# Altium PCB UpDuino Camera Adaptor_V2.0_ASCII.PcbDoc (continued)
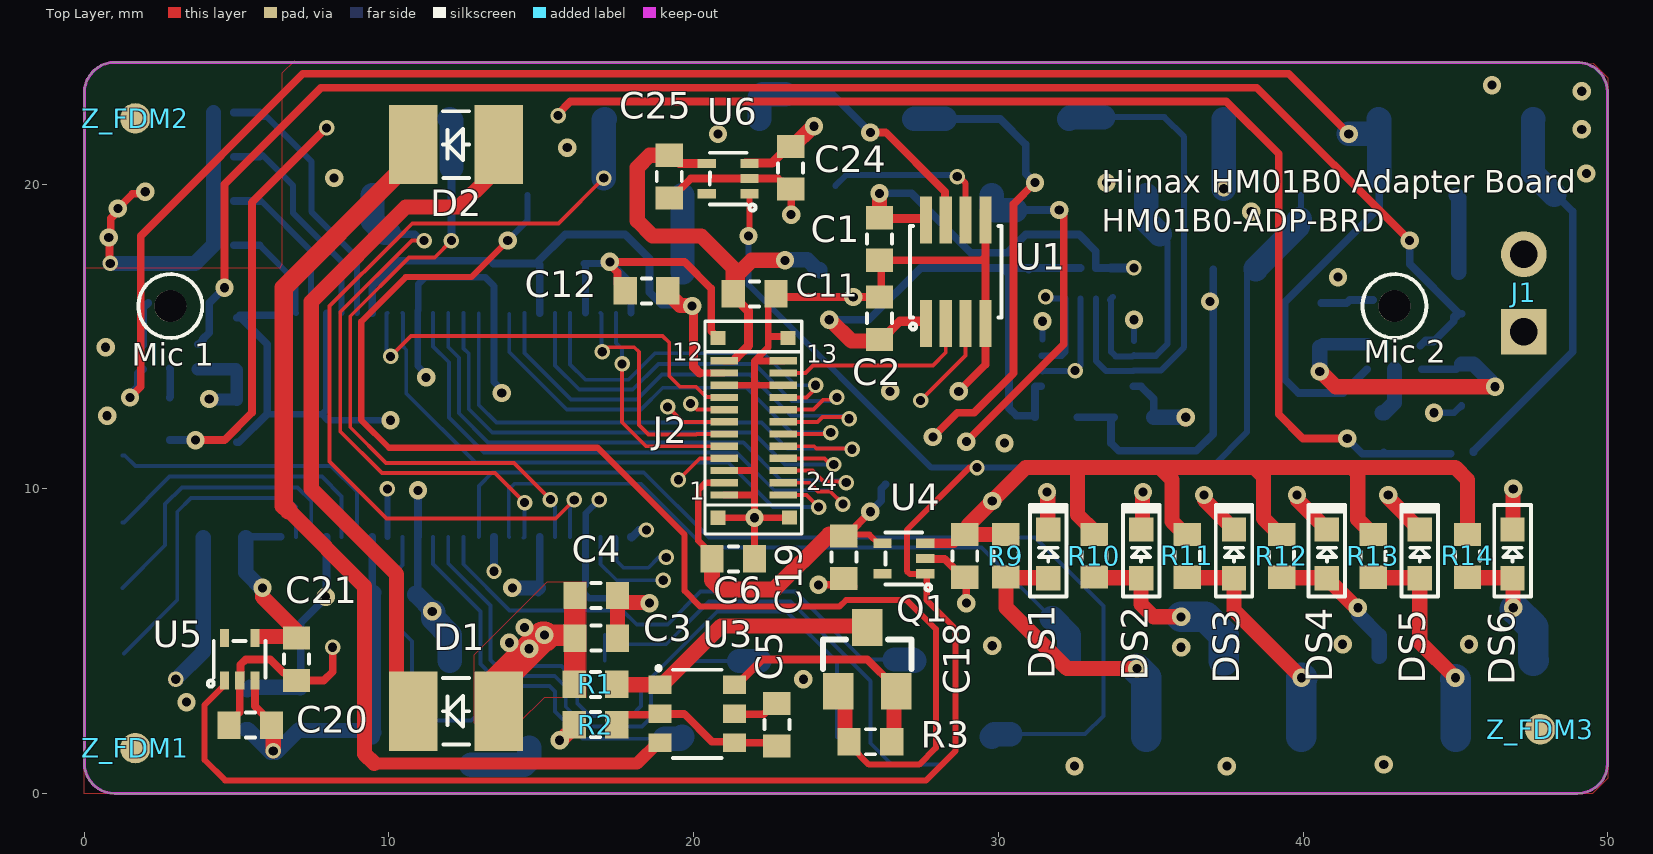
[diagram p0: Top Layer view]
## Nets (pads, with @x,y where several pads share a name; then routed paths per layer and width w, separated by ;. In a path a pad name is that pad's centre, name@x,y a point inside that pad or via, vN(x,y) a via of type N, cw(c..) or ccw(c..) an arc to the next point about the centre after c; other vN are vias at no path point)
ENABLE: R18.2 U4.1 U5.1 U6.1 UPDuino1.20 | length 71
  Top Layer w0.2: U5.1 4.6,3.558 3.95,2.908 3.95,1.1 4.618,0.432 27.632,0.432 28.6,1.4 28.6,5.4 27.65,6.35 27.65,7.116 27.75,7.216 U4.1 27.584,7.2 27.1,7.2 27,7.3 27,8.65 29.05,10.7 v2(29.3,10.7) ; v1(21.8,18.3) 21.829,18.329 U6.1 U6.1@21.979,19.684
  Bottom Layer w0.2: v1(21.8,18.3) 21.8,16.7 27.8,10.7 v2(29.3,10.7) 37,10.7 38.168,11.867 38.168,17.028 R18.2@38.394,17.254 ; UPDuino1.20@39.83,18.69 39.94,18.8 UPDuino1.20
  Bottom Layer w0.8: R18.2 38.449,17.231 39.83,18.613 39.83,18.69 39.83,18.78 UPDuino1.20@39.9,18.85
GND: C1.2 C2.2 C3.2 C4.2 C6.2 C7.2 C8.2 C9.1 C10.2 C11.2 C12.2 C13.2 C14.2 C15.2 C16.2 C17.2 C18.1 C19.1 C20.1 C21.1 C22.2 C23.2 C24.1 C25.1 C26.2 DS1.2 DS2.2 DS3.2 DS4.2 DS5.2 DS6.2 J1.2 J2.1 J2.3 J2.10 J2.13 J2.15 J2.GND1 J2.GND2 J2.GND3 J2.GND4 MK1.3 MK2.2 MK2.3 Q1.2 R2.2 R3.1 R4.2 R5.2 R6.2 R7.2 R18.1 U1.4 U1.5 U2.4 U2.10 U2.15 U2.21 U2.25 U2.28 U2.34 U2.39 U2.45 U2.48 U3.6 U4.2 U5.2 U6.2 U7.4 U7.5 UPDuino1.2 | length 154.3
  Top Layer w0.22: J2.GND4 20.803,9.056 v1@22,9.056 ; J2.1 22,9.8 ; J2.3 22,10.6 ; J2.10 22,13.4 ; C6.2 v1@22,9.056 ; 22.45,15 23.045,15 J2.GND2 ; C11.2@22.7,16.4 22.45,16.15 22.45,14.65 22,14.2 ; J2.15@22.9,13.4 22,13.4 ; J2.13 22,14.2 ; J2.GND1@23.106,9.056 v1@22,9.056 ; v1@22,9.056 22,9.8 ; 22,9.8 22,10.6 ; 22,10.6 22,13.4 ; 22,13.4 22,14.2
  Top Layer w0.254: v2(0.85,17.4) 0.825,17.425 0.825,18.225 v1(0.8,18.25) 0.866,18.316 0.866,18.873 1.1,19.106 v1(1.1,19.2) 1.584,19.684 1.934,19.684 v1(2,19.75) ; C20.1@4.8,2.3 4.8,2.364 5.1,2.664 U5.2 5.123,3.731 5.123,4.223 5.3,4.4 6.1,4.4 6.537,3.963 6.642,3.963 6.9,3.706 C21.1@6.9,3.6 ; C21.1 7.859,3.709 8.15,4 v2(8.15,4.8) ; v1@17.25,17.5 v1(17.25,17.45) ; C4.2 C4.2@17.5,6.498 ; C12.2 17.498,16.754 17.498,17.108 17.25,17.356 v1(17.25,17.45) ; C25.1@19.131,19.552 C25.1 ; C25.1@19.15,19.55 19.267,19.55 19.902,20.184 U6.2 22.767,20.184 C24.1@22.875,20.075 ; J2.GND3 20.798,14.952 20.577,15.173 20.577,16.573 19.7,17.45 v1(17.25,17.45) ; U3.6 21.412,3.564 22.249,4.4 25.7,4.4 Q1.2@26.6,3.5 ; C11.2@22.675,16.375 22.752,16.298 C2.2 ; C24.1@22.9,20.1 22.9,20.092 23.154,19.838 C24.1 23.2,19.82 23.2,19.05 v1@23.25,19 ; v1(24.1,6.85) 24.726,6.85 C19.1 25.091,6.9 25.2,6.9 25.2,6.86 C19.1@25.256,6.804 ; C1.2 29.452,17.502 29.55,17.6 ; C1.2@26.154,17.48 26.154,16.346 C2.2@26.2,16.3 ; U4.2 27.616,7.7 28.232,7.7 C18.1@28.831,7.102 ; v1(28.7,13.2) 29.575,14.075 U1.4 ; C18.1 C18.1@28.831,7.102 ; v1(28.95,6.25) 28.95,7.05 28.9,7.1 28.832,7.1 C18.1@28.831,7.102 ; U1.4@29.575,15.525 U1.5
  Top Layer w0.5: v1(15.6,1.75) 15.619,1.769 15.66,1.769 16.05,2.159 R2.2@16.05,2.25 ; C3.2 C3.2@17.5,5.098 ; C4.2@17.5,6.498 C4.2@17.5,6.429 ; C3.2@17.579,5.019 C3.2@17.5,5.098 ; v1(18.55,6.25) 18.531,6.269 17.729,6.269 17.698,6.3 17.629,6.3 C4.2@17.5,6.429 ; R3.1 26.574,1.776 26.574,3.274 Q1.2@26.8,3.5 ; DS1.2@31.6,8.65 31.619,8.669 31.619,9.881 v1(31.6,9.9) ; DS2.2@34.65,8.7 34.731,8.781 34.731,9.881 v1(34.75,9.9) ; v1(36.75,9.8) 36.769,9.781 36.769,9.631 37.65,8.75 DS3.2@37.75,8.75 ; v1(39.8,9.8) 39.819,9.781 39.819,9.629 40.748,8.7 DS4.2@40.75,8.7 ; v1(42.8,9.8) 42.819,9.781 42.819,9.677 DS5.2 ; DS6.2 46.889,8.677 46.889,9.989 v1(46.9,10) ; C3.2@17.5,5.098 C4.2@17.5,6.429
  Bottom Layer w0.2: U7.4@31.45,14.9 v1(31.45,15.5) ; U7.5@34.45,14.85 v1(34.45,15.55)
  Bottom Layer w0.22: 6,12.45 7.8,12.45 ; U2.28 7.947,12.597 7.8,12.45 ; v1(10.05,12.25) 8,12.25 7.8,12.45 ; U2.34@10.96,15.86 U2.34@10.958,15.858 ; v1(11.22,13.66) 11.22,13.763 10.941,14.042 10.941,14.719 10.94,14.72 10.94,15.84 U2.34@10.958,15.858 ; v1(13.7,13.15) 13.7,13.253 13.446,13.506 U2.39 13.445,15.776 13.445,16.655 13.15,16.95 11.2,16.95 10.958,16.708 U2.34@10.958,15.858 ; C7.2 C7.2@16.298,6.698 ; U2.45 16.446,17.354 16.4,17.4 v1@17.25,17.4 ; v2(16.9,9.64) 16.458,9.198 16.458,8.436 U2.4 16.446,6.846 C7.2@16.298,6.698 ; v1(17.25,17.45) 17.3,17.4 17.946,16.754 U2.48 ; v1@18.55,6.2 18.497,6.2 18.287,6.41 16.569,6.41 16.298,6.681 C7.2@16.298,6.698 ; v1@44.24,12.48 44.26,12.5 v1(44.3,12.5) 44.96,12.5 C15.2@45.2,12.74 ; C15.2@45.181,12.721 C15.2
  Bottom Layer w0.254: MK2.2@1.9,14.7 1.922,14.722 MK2.2 1.922,15.922 2.1,16.1 ; C16.2 5.07,11.527 6,12.457 6,14.75 5.131,15.619 C17.2 ; C17.2@5.1,15.7 6.435,15.7 6.447,15.712 U2.25 ; C9.1@7.1,3.5 7.1,5.6 7.947,6.447 U2.21 ; C10.2 10.898,6.531 10.898,6.502 v1(11.42,5.98) v1@11.45,5.95 ; v1(10.95,9.95) 10.948,9.948 10.948,8.427 U2.15 10.947,6.653 C10.2@11,6.6 ; v2(13.446,7.296) U2.10 ; C22.2@32.6,12.35 C23.2 ; C23.2@33.8,12.35 33.7,12.25 33.7,11.5 33.95,11.25 36.5,11.25 37.052,11.802 R18.1 ; v1(36.95,16.15) v1@37,16.15 ; C14.2@40.6,16.1 41.431,16.1 41.531,16.2 42.3,16.2
  Bottom Layer w0.5: v2(0.85,17.4) 3.638,17.4 R7.2 ; v2(3,3.75) 3.902,4.652 C13.2 ; R4.2 R5.2 R6.2 4.238,18.012 R7.2@4.25,18 ; C26.2@5.35,3.4 5.435,3.485 7.071,3.485 C9.1
  Bottom Layer w0.6: C10.2@10.898,6.531 11.429,6 v1@11.45,6
  Bottom Layer w0.8: v1@11.45,5.95 11.45,5.75 12,5.2 UPDuino1.2
  other v1: 32.5,0.9 37.5,0.9 42.65,0.95 3.35,3 23.6,3.75 36,4.8 29.8,4.85 41.3,4.9 45.45,4.9 7.92,6.46 22,9.05 30.2,11.5 0.75,12.4 26.45,13.2 0.7,14.65 25.24,16.3 41.15,16.95 23.2,19 38.3,19.1 33.55,20.05 8.2,20.2 49.3,20.35 15.85,21.2 20.8,21.65 49.15,21.8 49.15,23.05 46.2,23.25
I2S_CLK_MIC: MK1.4 MK2.4 R8.1 | length 53.3
  Top Layer w0.254: v1(4.6,16.6) 4.6,20 7.769,23.169 38.481,23.169 v1(43.5,18.15)
  Bottom Layer w0.254: MK2.4 3.761,14.748 3.895,14.882 3.895,14.921 4.1,15.126 4.1,16.1 v1(4.6,16.6) ; v1(43.5,18.15) 43.5,17.383 R8.1@45.131,15.752 ; MK1.4@43.85,14.7 44.032,14.882 44.262,14.882 ; MK1.4 43.983,14.831 44.281,14.831 44.95,15.5 44.95,15.65 R8.1@45,15.7 ; R8.1@45.04,15.66 R8.1@45.131,15.752 ; R8.1 R8.1@45.131,15.752
I2S_SDA_MIC: R15.1 R16.1 R17.1 | length 59.9
  Top Layer w0.254: v1(3.65,11.6) 4.6,11.6 5.5,12.5 5.5,19.4 v2(7.95,21.85) ; v2(15.55,22.25) 15.55,22.315 15.95,22.715 37.485,22.715 39.2,21 39.2,12.45 40,11.65 v1(41.45,11.65)
  PWR w0.254: v2(7.95,21.85) 8.35,22.25 v2(15.55,22.25)
  Bottom Layer w0.254: R17.1 2.802,11.6 v1(3.65,11.6) ; v1@41.45,11.7 v1(41.45,11.65) 41.95,11.15 R16.1 R16.1 ; R16.1@42.65,11.2 42.7,11.15 R15.1 44.15,11.15
I2S_WS_MIC: MK1.1 MK2.1 UPDuino1.19 | length 63.7
  Top Layer w0.254: v1(1.5,13) 1.85,13.35 1.85,18.3 7.173,23.623 39.527,23.623 v1(41.5,21.65)
  Bottom Layer w0.254: v1(1.5,13) 1.5,13.094 1.749,13.343 1.749,13.792 1.883,13.926 MK2.1 ; v1@41.45,21.65 v1(41.5,21.65) ; MK1.1 41.324,13.15 39.85,13.15 39.4,13.6 39.4,16.124 42.5,19.224 42.5,20.2
  Bottom Layer w0.8: v1(41.5,21.65) 42.37,21.65 42.48,21.76 UPDuino1.19 42.5,22.12 42.5,20.2
INTR: U2.17 UPDuino1.21 | length 35.7
  PWR w0.2: v2(9.95,10) 9.95,10.55 11.15,11.75 16.5,11.75 19.6,14.85 27.25,14.85 29.9,17.5 32.75,17.5 35.1,19.85 v2(37.4,19.85)
  Bottom Layer w0.2: U2.17 9.95,8.428 v2(9.95,10)
  Bottom Layer w0.8: v2(37.4,19.85) UPDuino1.21
IR_LED: Q1.1 R3.2 UPDuino1.30 | length 43
  Top Layer w0.2: v1(13.9,18.15) 12.7,16.95 10.55,16.95 9.09,15.49 9.09,12.26 10,11.35 16.85,11.35 19.7,8.5 19.7,6.65 20.215,6.135 24.785,6.135 25,6.35 27,6.35 27.95,5.4 27.95,1.5 27.4,0.95 25.75,0.95 25.15,1.55 25.15,1.75 R3.2@25.1,1.8
  Top Layer w0.5: Q1.1 24.971,3.129 24.971,1.9 R3.2@25.085,1.785
  Bottom Layer w0.2: v1(13.9,18.15) 14,18.25 14,18.26 14.54,18.8 UPDuino1.30
LED0: DS1.1 R9.1 UPDuino1.11 | length 10
  Top Layer w0.5: R9.1@30.2,7.1 30.214,7.086 R9.1@30.25,7.086 ; R9.1 R9.1@30.25,7.086 ; DS1.1 31.618,7.086 R9.1@30.25,7.086 ; v1(34.55,4.1) 32.25,4.1 30.25,6.1 R9.1@30.25,7.086
  Bottom Layer w1: v1(34.55,4.1) 34.85,3.8 34.85,1.87 UPDuino1.11
LED1: DS2.1 R10.1 UPDuino1.12 | length 6.4
  Top Layer w0.5: R10.1 33.17,7.086 34.686,7.086 DS2.1@34.7,7.1 ; DS2.1 34.686,6.214 35.1,5.8 v1(36,5.8)
  Bottom Layer w1: v1(36,5.8) 36.8,5.8 37.4,5.2 UPDuino1.12
LED2: DS3.1 R11.1 UPDuino1.13 | length 9.7
  Top Layer w0.5: R11.1 36.218,7.084 37.616,7.084 DS3.1@37.7,7 ; DS3.1 37.734,6.016 v1(39.95,3.8)
  Bottom Layer w0.5: v1@39.981,3.781 39.981,1.819 UPDuino1.13@40,1.8
  Bottom Layer w1: UPDuino1.13 39.95,1.87 39.95,3.75 39.981,3.781 39.962,3.8 v1(39.95,3.8)
LED3: DS4.1 R12.1 UPDuino1.14 | length 4.9
  Top Layer w0.5: R12.1@39.2,7.1 39.216,7.084 40.764,7.084 DS4.1 41.729,6.119 41.781,6.119 v1(41.8,6.1)
  Bottom Layer w0.5: v1(41.8,6.1) 41.819,6.081 41.819,5.861 42.5,5.18 UPDuino1.14@42.5,4.5
LED4: DS5.1 R13.1 UPDuino1.15 | length 7.2
  Top Layer w0.5: R13.1@42.3,7.1 42.316,7.084 43.812,7.084 DS5.1 43.83,4.97 v1(45,3.8)
  Bottom Layer w0.5: v1(45,3.8) 45.01,3.79 v1@45.01,3.75
  Bottom Layer w1: v1@45,3.75 45.01,3.74 45.01,1.87 UPDuino1.15
LED5: DS6.1 R14.1 UPDuino1.16 | length 4.3
  Top Layer w0.5: R14.1@45.5,7.1 45.516,7.084 46.86,7.084 DS6.1 46.889,7.055 46.889,6.111 v1(46.9,6.1)
  Bottom Layer w1: v1@46.95,6.05 46.964,6.05 47.55,5.464 47.55,4.37 UPDuino1.16 UPDuino1.16@47.57,4.37
MCLK: U1.7 UPDuino1.27 | length 8.4
  Top Layer w0.254: v1(25.8,21.7) 26.3,21.7 28.25,19.75 U1.7@28.25,19.55
  Bottom Layer w0.254: 23,22.95 24.55,22.95 v1(25.8,21.7)
  Bottom Layer w0.8: UPDuino1.27 22.16,22.84 22.27,22.95 23,22.95
NetC5_1: C5.1 U3.5 | length 1.5
  Top Layer w0.254: U3.5 21.356,2.6 22.304,2.6 22.663,2.959 C5.1
NetC5_2: C5.2 R2.1 U3.2 U3.4 | length 5.9
  Top Layer w0.254: R2.1@17.5,2.2 17.5,2.351 17.733,2.584 18.862,2.584 U3.2 19.686,2.614 20.6,1.7 U3.4@21.3,1.7 ; U3.4 22.536,1.664 C5.2@22.7,1.5
NetD1_C: D1.C D2.A | length 23.6
  Top Layer w0.5: D1.C 10.25,3.25 10.25,7.2 7.45,10 7.45,16.15 10.55,19.25 12.3,19.25 13.293,20.243 13.293,20.893 D2.A@13.7,21.3
NetD2_C: D2.C U3.3 | length 33
  Top Layer w0.254: 6.673,9.3 6.7,9.3
  Top Layer w0.4: 9.518,0.982 18.14,0.982 18.859,1.7 U3.3@18.9,1.7
  Top Layer w0.5: 6.7,9.3 9.2,6.8 9.2,1.3 9.518,0.982
  Top Layer w0.6: 6.7,9.3 6.55,9.45 6.55,16.6 10.25,20.3 10.3,20.3 10.8,20.8 D2.C
NetMK1_6: MK1.6 R16.2 | length 1.6
  Bottom Layer w0.5: R16.2@42.6,12.5 42.671,12.5 43,12.829 MK1.6
NetMK2_6: MK2.6 R17.2 | length 1
  Bottom Layer w0.254: R17.2 2.822,13.021 MK2.6 MK2.6 MK2.6@2.8,13.95
NetQ1_3: Q1.3 R1.1 U3.1 | length 9.2
  Top Layer w0.5: R1.1@17.4,3.6 17.427,3.573 18.883,3.573 U3.1 ; U3.1@18.8,3.6 18.999,3.6 20.899,5.5 25.65,5.5 Q1.3
NetR4_1: R4.1 U2.30 | length 8
  Bottom Layer w0.2: R4.1@5.7,22.35 5.85,22.2 6,22.2 7.45,20.75 7.45,19.1 8.947,17.603 U2.30
NetR5_1: R5.1 U2.29 | length 6.3
  Bottom Layer w0.2: R5.1@5.8,20.95 5.85,20.95 6.85,19.95 6.85,19.05 8.447,17.453 U2.29
NetR6_1: R6.1 U2.27 | length 4.4
  Bottom Layer w0.2: R6.1@5.75,19.5 7.447,17.803 U2.27
NetR7_1: R7.1 U2.26 | length 2.6
  Bottom Layer w0.2: R7.1@5.8,17.95 6.931,16.819 6.931,15.79 U2.26
NetR8_2: R8.2 UPDuino1.18 | length 2.7
  Bottom Layer w0.2: R8.2@45.201,17.149 R8.2@45.25,17.1
  Bottom Layer w0.5: UPDuino1.18 45.11,19.55 45.11,17.11 R8.2@45.1,17.1
NetR15_2: R15.2 UPDuino1.17 | length 12.8
  Bottom Layer w0.254: 45.598,11.2 45.598,11.248 48.85,14.5 48.85,19.1 48.275,19.675
  Bottom Layer w0.8: UPDuino1.17 47.55,22.13 47.55,20.35 48.25,19.65
NetTP1_1: TP1.1 UPDuino1.3 | length 2.4
  Bottom Layer w0.8: TP1.1 14.43,0.95 14.6,1.12 UPDuino1.3@14.6,1.5
NetTP2_1: TP2.1 U2.19 | length 9.7
  Bottom Layer w0.127: TP2.1@1.25,11.1 1.327,11.1 1.677,10.75 8.1,10.75 8.947,9.903 U2.19
NetTP3_1: TP3.1 U2.20 | length 9.4
  Bottom Layer w0.127: TP3.1@1.25,8.9 TP3.1 2.8,10.4 7.8,10.4 8.447,9.753 U2.20
NetTP4_1: TP4.1 U2.22 | length 9.7
  Bottom Layer w0.127: TP4.1 2.65,8.15 2.65,9.5 3.2,10.05 7,10.05 7.447,9.603 U2.22
NetTP5_1: TP5.1 U2.23 | length 10.6
  Bottom Layer w0.127: TP5.1 3.05,6.35 3.05,9.25 3.5,9.7 6.65,9.7 6.947,9.403 U2.23
NetTP9_1: TP9.1 UPDuino1.4 | length 16.1
  Bottom Layer w0.127: UPDuino1.4 17.08,5.2 17.38,4.9 19.1,4.9 20.501,6.3 23.187,6.3 25.8,3.688 25.8,1.65 26.5,0.95 TP9.1@28.2,0.95
NetTP10_1: TP10.1 UPDuino1.28 | length 2.6
  Bottom Layer w0.8: UPDuino1.28 19.635,19.625 19.635,17.115 TP10.1@19.65,17.1
PCLK: U2.5 UPDuino1.29 | length 28.1
  Top Layer w0.127: v2(16.08,9.64) 15.473,9.033 9.917,9.033 8.05,10.9 8.05,16 10.257,18.207 10.763,18.713 15.563,18.713 v2(17.05,20.2)
  Bottom Layer w0.127: U2.5 15.946,9.506 v2(16.08,9.64)
  Bottom Layer w0.8: v2(17.05,20.2) 17.05,22.11 UPDuino1.29
PX_FV: U2.2 UPDuino1.25 | length 29.5
  Top Layer w0.254: v1(27.85,11.7) 28.65,12.5 29.2,12.5 30.5,13.8 30.5,19.35 v1(31.2,20.05)
  PWR w0.254: v2(19.1,7.75) 23.471,7.75 23.731,8.01 25.909,8.01 27.85,9.951 v1(27.85,11.7)
  Bottom Layer w0.127: U2.2 17.476,8.396 17.476,7.633 17.697,7.411 18.511,7.411 18.85,7.75 v2(19.1,7.75)
  Bottom Layer w0.254: 28.25,22.14 30.06,22.14 30.9,21.3 30.9,20.35 v1(31.2,20.05)
  Bottom Layer w0.8: UPDuino1.25 27.25,22.15 28.25,22.15
PX_LV: U2.3 UPDuino1.24 | length 27.3
  Top Layer w0.254: v1(28.95,11.55) 32.15,14.75 32.15,19 v1(32,19.15)
  PWR w0.254: v2(19,7) 23.363,7 23.84,7.477 26.018,7.477 28.354,9.813 28.354,10.954 v1(28.95,11.55)
  Bottom Layer w0.127: U2.3 16.946,7.527 17.474,7 v2(19,7)
  Bottom Layer w0.254: 30.55,19.15 v1(32,19.15)
  Bottom Layer w0.8: UPDuino1.24 29.78,19.26 29.89,19.15 30.55,19.15
PXD0: U2.6 UPDuino1.31 | length 20.8
  Top Layer w0.127: v2(12.05,18.15) 11.5,17.6 10.662,17.6 8.727,15.665 8.727,12.023 9.9,10.85 14.1,10.85 v2(15.3,9.65)
  Bottom Layer w0.127: v2(15.3,9.65) 15.3,9.547 15.446,9.4 U2.6
  Bottom Layer w0.254: v2(12.05,18.15) 12.05,20.55
  Bottom Layer w0.8: UPDuino1.31 12.05,22.09 12.05,20.55
PXD1: U2.8 UPDuino1.32 | length 18.8
  Top Layer w0.127: v2(11.15,18.15) 10.75,18.15 8.4,15.8 8.4,11.888 9.77,10.517 13.483,10.517 v2(14.45,9.55)
  Bottom Layer w0.127: v2@11.047,18.15 v2(11.15,18.15) ; U2.8@14.417,8.396 U2.8 14.45,8.429 v2(14.45,9.55)
  Bottom Layer w0.254: UPDuino1.32@9.86,18.4 9.907,18.353 10.843,18.353 v2@11.047,18.15
  Bottom Layer w0.8: UPDuino1.32 9.46,18.8 9.86,18.4 10,18.4
PXD2: U2.9 UPDuino1.10 | length 22.9
  Bottom Layer w0.127: U2.9 13.932,8.439 13.932,9.982 14.118,10.168 18.27,10.168 20.365,8.073 29.447,8.073 31.77,5.75
  Bottom Layer w0.8: 31.75,5.75 31.77,5.75 32.32,5.2 UPDuino1.10
PXD3: U2.11 UPDuino1.9 | length 31.9
  Bottom Layer w0.127: U2.11 12.95,8.429 12.95,10.1 13.39,10.54 18.36,10.54 20.5,8.4 31.2,8.4 33.45,6.15 33.45,2.55 32.85,1.95 30.4,1.95 ; UPDuino1.9@29.75,1.95 UPDuino1.9@29.87,1.95
  Bottom Layer w0.8: UPDuino1.9 29.87,1.95 30.4,1.95
PXD4: U2.12 UPDuino1.8 | length 17.9
  Bottom Layer w0.127: U2.12 12.446,7.527 13.96,6.013 17.669,6.013 18.133,5.55 19.15,5.55 20.227,6.627 23.323,6.627 25.55,4.4 26.6,4.4 ; UPDuino1.8@27.2,4.4 UPDuino1.8@27.25,4.4
  Bottom Layer w0.8: 26.6,4.4 27.2,4.4 UPDuino1.8
PXD5: U2.13 UPDuino1.7 | length 22.1
  Bottom Layer w0.127: U2.13 11.946,7.554 13.327,6.173 13.327,4.385 13.526,4.187 15.663,4.187 16.177,3.673 16.177,2.973 16.6,2.55 17.95,2.55 18.273,2.873 18.273,3.473 20.773,5.973 23.052,5.973 24.7,4.325 UPDuino1.7
PXD6: U2.14 UPDuino1.6 | length 16.6
  Bottom Layer w0.127: U2.14 11.446,7.534 13,5.98 13,4.25 13.39,3.86 15.44,3.86 15.8,3.5 15.8,2.85 16.444,2.206 18.306,2.206 18.6,2.5 18.6,3.3 19.65,4.35 21.5,4.35 ; UPDuino1.6@22.15,4.35 UPDuino1.6@22.2,4.35
  Bottom Layer w0.8: 21.5,4.35 22.15,4.35 UPDuino1.6
PXD7: U2.16 UPDuino1.5 | length 16.6
  Bottom Layer w0.127: U2.16 10.447,7.497 10.253,7.304 10.253,5.496 10.75,5 10.75,2.8 11.15,2.4 12.7,2.4 13.833,3.533 15.267,3.533 15.45,3.35 15.45,2.697 16.347,1.8 19.05,1.8 ; UPDuino1.5@19.56,1.8 UPDuino1.5@19.65,1.8
  Bottom Layer w0.8: 19.05,1.8 19.56,1.8 UPDuino1.5
SCL: RN1.2 U7.7 UPDuino1.23 | length 16.5
  Bottom Layer w0.2: UPDuino1.23@32.3,22.2 UPDuino1.23@32.38,22.2 ; RN1.2 33.2,14.2 33.529,13.871 U7.7 34.439,13.88 35.33,13.88 36.1,14.65 36.1,21.55 35.45,22.2 33.45,22.2
  Bottom Layer w0.8: UPDuino1.23 32.38,22.2 33.45,22.2
SDA: RN1.1 U7.6 UPDuino1.22 | length 9.1
  Bottom Layer w0.2: RN1.1@33.66,16.2 RN1.1@33.7,16.24 ; RN1.1@33.76,16.3 RN1.1@33.7,16.24 ; U7.6 34.409,14.35 33.85,14.35 33.7,14.5 RN1.1@33.7,16.24 ; U7.6@34.45,14.4 34.48,14.37 35.17,14.37 35.55,14.75 35.55,18.1 UPDuino1.22@35.3,18.35
  Bottom Layer w0.8: UPDuino1.22 34.86,18.8 35.3,18.36 UPDuino1.22@35.3,18.35
TRIG: U1.6 UPDuino1.26 | length 5.7
  Top Layer w0.2: v2(28.65,20.25) 28.7,20.25 28.925,20.025 U1.6
  Bottom Layer w0.2: UPDuino1.26@24.65,19.95 25,20.3 28.6,20.3 v2(28.65,20.25)
VDD5: C3.1 C4.1 D1.A J1.1 R1.2 | length 55.8
  Top Layer w0.5: C3.1@16.05,5.05 16.071,5.029 C3.1@16.092,5.008 ; R1.2 R1.2@16.092,3.592
  Top Layer w0.7: v1@15.15,5.2 16.071,5.2 C3.1@16.092,5.179 ; C3.1@16.071,5.029 16.071,5.069 C3.1 16.102,5.169 C3.1@16.092,5.179 ; R1.2@16.092,3.592 C3.1@16.092,5.008 ; C4.1 16.092,6.492 C3.1@16.092,5.179
  Top Layer w1: D1.A 13.6,3.7 15.05,5.15 v1@15.1,5.15
  PWR w1.2: v1@14.1,5 v1@14.5,5.4 ; v1@14.1,5.05 v1@15.3,5.05 ; v1@15.15,5.25 18.15,2.25 46.95,2.25 48.25,3.55 48.25,14.2 47.4,15.05 47.25,15.05 J1.1@47.2,15.1
  other v1: 14.6,4.75 13.95,4.95 15.1,5.2 14.45,5.45
VDD15: C11.1 C25.2 J2.12 TP8.1 U6.4 | length 15.6
  Top Layer w0.22: J2.12 21.3,14.2 J2.12@21.4,14.3
  Top Layer w0.3: C25.2@19.2,20.95 19.267,20.95 19.533,20.684 U6.4 U6.4@20.487,20.684 ; C11.1 21.3,16.333 21.8,15.833 21.8,14.7 J2.12@21.4,14.3
  Top Layer w0.5: C25.2 19.198,20.95 18.55,20.95 18.15,20.55 18.15,18.8 18.65,18.3 20.25,18.3 21.3,17.25 C11.1@21.3,16.6 ; C11.1@21.302,16.469 C11.1 21.433,16.531 21.433,17.033 21.9,17.5 v1(23,17.5)
  Bottom Layer w0.5: v1(23,17.5) 23.019,17.519 23.731,17.519 24.05,17.2 24.15,17.2 TP8.1
VDD18: C2.1 C8.1 C12.1 C13.1 C21.2 C22.1 J2.11 RN1.5 RN1.6 TP7.1 U1.1 U2.1 U2.24 U2.31 U2.42 U5.4 U7.1 | length 86.2
  Top Layer w0.22: 20.2,13.8 J2.11
  Top Layer w0.254: U5.4 5.608,5.1 C21.2@7,5.1 ; v1(5.85,6.75) 5.916,6.684 v1@5.966,6.684
  Top Layer w0.3: v1(19.95,16) 20,15.95 20,14 20.2,13.8 ; C2.1@26.084,14.816 C2.1@26.169,14.902 ; C2.1 C2.1@26.169,14.902 ; U1.1@27.6,15.5 26.767,15.5 C2.1@26.169,14.902
  Top Layer w0.5: 5.75,5.15 7.15,5.15 5.85,6.45 v1@5.85,6.7 ; C21.2@6.852,5.15 6.896,5.106 C21.2 C21.2@6.921,5.15 ; C12.1@19.15,16.429 19.56,16.019 19.931,16.019 v1(19.95,16) ; v1(24.45,15.55) 24.477,15.55 25.177,14.85 C2.1@25.65,14.85 ; C2.1@26.049,14.851 C2.1@26.084,14.816
  PWR w0.5: v1(5.85,6.75) 7.75,8.65 v2(18.45,8.65) ; 7.45,8.45 7.45,14.85 8.6,16 v1(19.95,16) 24,16 v1(24.45,15.55)
  Bottom Layer w0.254: C13.1@5.2,8.4 5.225,8.425 U2.24 ; 5.298,7.55 C13.1 ; U2.31 9.451,15.78 9.451,16.651 10.287,17.487 13.331,17.487 13.418,17.4 C8.1 14.902,17.469 15.782,18.35 17.75,18.35 18.55,17.55 18.55,16.45 18.95,16.05 19.9,16.05 v1(19.95,16) ; U2.42 C8.1@14.946,17.346 ; U2.1 17.946,8.413 17.959,8.4 18.209,8.65 v2(18.45,8.65) ; v1(24.45,15.55) 25.75,15.55 27.45,17.25 30.15,17.25 ; TP7.1@31,17.2 TP7.1 ; C22.1 C22.1@31.2,12.351 ; U7.1 31.223,13.37 31.2,13.347 C22.1@31.2,12.351 ; RN1.6 RN1.5 TP7.1 ; 30.15,17.25 TP7.1 ; 30.15,17.25 30.35,17.05 30.35,12.65 30.6,12.4 31.151,12.4 C22.1@31.2,12.351
  Bottom Layer w0.5: 5.298,7.55 5.298,7.252 v1@5.85,6.7 ; C13.1 5.3,8.399 5.3,7.5
VDD28: C6.1 C19.2 J2.2 TP6.1 U4.4 | length 13
  Top Layer w0.2: C19.2@24.9,8.5 25.048,8.5 25.766,8.5 26.05,8.216 U4.4
  Top Layer w0.22: C6.1@20.6,7.7 C6.1 20.602,7.848 20.15,8.3 20.15,9.961 20.389,10.2 J2.2
  Top Layer w0.254: C19.2 25.002,8.454 25.048,8.5 v1(25.8,9.25) v1(25.8,9.25)
  Top Layer w0.53: C6.1@20.6,7.7 20.6,7 20.9,6.7 22.65,6.7 24.45,8.5 24.887,8.5 C19.2
  Bottom Layer w0.254: v1(25.8,9.25) 26.157,9.607 26.157,10.007 TP6.1
VDD33: C1.1 C7.1 C9.2 C10.1 C14.1 C15.1 C16.1 C17.1 C18.2 C20.2 C23.1 C24.2 C26.1 MK1.2 MK1.5 MK2.5 R9.2 R10.2 R11.2 R12.2 R13.2 R14.2 RN1.7 RN1.8 U1.8 U2.7 U2.18 U4.3 U5.3 U6.3 U7.8 UPDuino1.1 | length 143.3
  Top Layer w0.254: U5.3 5.6,2.864 C20.2@6.1,2.364
  Top Layer w0.3: U6.3@21.7,20.7 22.579,20.7 23.113,21.234 C24.2 ; C1.1@26.046,18.922 26.07,18.898 C1.1 ; C1.1@26.154,18.876 27.577,18.876 U1.8 ; U4.3 28.549,8.216 28.8,8.467 C18.2@28.8,8.5
  Top Layer w0.5: C20.2 6.2,2.195 v2(6.2,1.4) ; C24.2 23.251,21.234 23.898,21.881 23.931,21.881 v1(23.95,21.9) ; C1.1@26.1,18.9 v1(26.1,19.7) ; C18.2@29,8.5 R9.2@30.3,8.5 ; C18.2@29,8.8 30.9,10.7 32.5,10.7 ; R10.2 33.15,8.6 32.6,9.15 32.6,10.6 32.5,10.7 ; v1@36.15,12.3 v1(36.15,12.35) ; R11.2 36.131,8.498 35.7,8.929 35.7,10.3 35.3,10.7 ; R12.2 39.231,8.498 38.7,9.029 38.7,10.4 38.4,10.7 ; v1(40.55,13.85) 40.577,13.85 41.077,13.35 v1(46.3,13.35) ; R13.2 42.231,8.498 42.1,8.629 42.1,8.698 41.8,8.998 41.8,10.5 41.6,10.7 ; R14.2 45.4,10.3 45,10.7 41.6,10.7 ; 32.5,10.7 35.3,10.7 ; 35.3,10.7 38.4,10.7 ; 38.4,10.7 41.6,10.7
  PWR w0.5: v1(4.1,12.95) 4.4,12.65 4.4,3.2 v2(6.2,1.4) 6.25,1.45 8.75,1.45 v1(14.05,6.75) 16.55,6.75 18.05,5.25 25.45,5.25 v1(29.8,9.6) ; v1(23.95,21.9) 23.95,21.875 26.1,19.725 v1(26.1,19.7) ; v1@29.6,9.4 32.1,11.9 35.7,11.9 v1(36.15,12.35) ; v2(34.45,17.25) 36.15,15.55 v1@36.15,12.4 ; v1@36.175,12.325 36.175,13.625 36.4,13.85 v1(40.55,13.85)
  Bottom Layer w0.254: U2.18 9.447,6.653 C10.1@9.5,6.6 ; C7.1@14.9,6.6 14.946,6.646 U2.7 ; v1(26.1,19.7) 27.15,19.7 29.1,17.75 30.3,17.75 30.9,18.35 32.65,18.35 33.2,17.8 RN1.7 RN1.8 ; U7.8 34.68,13.37 35.1,12.95 C23.1@35.1,12.4 ; C14.1@40.55,14.651 C14.1 ; C14.1@40.6,14.7 C14.1@40.648,14.748 ; MK1.5 45.026,13.926 C15.1 ; C15.1 C15.1@45.201,14.1
  Bottom Layer w0.3: v1(4.1,12.95) v1@4.113,12.937 ; C17.1@4.974,13.926 C17.1@5,13.9 ; C16.1@4.988,12.937 C16.1 C16.1 ; RN1.8 v2(34.45,17.25)
  Bottom Layer w0.4: MK2.5 C17.1@4.974,13.926 ; v1@4.113,12.937 C16.1@4.988,12.937 ; C16.1 C17.1@5,13.9 ; C14.1@40.648,14.748 MK1.2
  Bottom Layer w0.5: C26.1 5.369,2.103 v2@6.122,1.35 ; v2@6.295,1.35 7.045,2.1 7.1,2.1 7.127,2.073 9.247,2.073 UPDuino1.1 ; UPDuino1.1@9.5,2 9.481,2.019 9.481,6.579 C10.1 ; v1(14.05,6.75) C7.1 ; C23.1 v1(36.15,12.35) ; v1(40.55,13.85) C14.1@40.55,14.651 ; C15.1@45.201,14.1 45.6,14.1 46.3,13.4 v1(46.3,13.35)
X_INTR: J2.9 U2.32 | length 14.2
  Top Layer w0.127: v2(10.05,14.35) 10.717,15.017 18.983,15.017 19.2,14.8 19.2,13.7 19.55,13.35 20.082,13.35 20.415,13.016 20.98,13.016 J2.9
  Bottom Layer w0.127: U2.32 9.923,15.752 9.923,14.477 v2(10.05,14.35)
X_MCLK: J2.14 U1.2 | length 6.6
  Top Layer w0.127: J2.14 23.668,13.8 23.918,14.05 27.85,14.05 28.275,14.475 U1.2
X_PCLK: J2.16 U2.44 | length 12
  Top Layer w0.127: J2.16 23.7,13 24,13.3 v2(24,13.4)
  Bottom Layer w0.127: U2.44 15.946,14.085 16.449,13.582 17.864,13.582 18.732,14.45 22.3,14.45 23.35,13.4 v2(24,13.4)
X_PX_FV: J2.5 U2.47 | length 7.3
  Top Layer w0.127: v2(17.65,14.1) 17.65,12.188 18.438,11.4 J2.5
  Bottom Layer w0.127: U2.47 17.446,14.785 17.65,14.582 v2(17.65,14.1)
X_PX_LV: J2.6 U2.46 | length 8
  Top Layer w0.127: v2(17,14.5) 17.15,14.65 18.05,14.65 18.2,14.5 18.2,12.1 18.518,11.782 20.082,11.782 20.1,11.8 J2.6
  Bottom Layer w0.127: U2.46 16.973,15.748 16.973,14.527 v2(17,14.5)
X_PXD0: J2.17 U2.43 | length 14.2
  Top Layer w0.127: J2.17 23.932,12.6 24.259,12.927 24.627,12.927 v2(24.7,13)
  Bottom Layer w0.127: U2.43 15.446,14.054 16.245,13.255 18,13.255 18.844,14.1 22,14.1 23.217,12.883 24.622,12.883 24.627,12.877 24.627,12.927 v2(24.7,13)
X_PXD1: J2.18 U2.41 | length 15.8
  Top Layer w0.127: J2.18 24.062,12.2 24.224,12.362 25.038,12.362 v2(25.1,12.3)
  Bottom Layer w0.127: U2.41 14.446,14.454 15.972,12.928 18.135,12.928 18.957,13.75 21.85,13.75 23.2,12.4 25,12.4 v2(25.1,12.3)
X_PXD2: J2.19 U2.40 | length 15.1
  Top Layer w0.127: J2.19 24.456,11.8 v2(24.5,11.844)
  Bottom Layer w0.127: U2.40@13.946,15.746 13.946,14.491 15.836,12.601 18.271,12.601 18.987,13.317 21.733,13.317 23.206,11.844 v2(24.5,11.844)
X_PXD3: J2.20 U2.38 | length 18.1
  Top Layer w0.127: J2.20 23.957,11.4 24.03,11.327 25.173,11.327 v2(25.2,11.3)
  Bottom Layer w0.127: U2.38@12.946,15.754 12.946,12.754 13.525,12.175 22.225,12.175 23.073,11.327 25.173,11.327 v2(25.2,11.3)
X_PXD4: J2.21 U2.37 | length 17.7
  Top Layer w0.127: J2.21 24.297,11 24.497,10.8 v2(24.6,10.8)
  Bottom Layer w0.127: U2.37 12.446,14.613 12.619,14.44 12.619,12.618 13.39,11.848 21.952,11.848 23,10.8 v2(24.6,10.8)
X_PXD5: J2.22 U2.36 | length 19.3
  Top Layer w0.127: J2.22 23.907,10.6 24.262,10.244 24.973,10.244 v2(25.009,10.208)
  Bottom Layer w0.127: U2.36 11.946,14.651 12.292,14.305 12.292,12.483 13.255,11.521 21.629,11.521 22.867,10.283 24.58,10.283 24.582,10.281 24.936,10.281 v2(25.009,10.208)
X_PXD6: J2.23 U2.35 | length 20
  Top Layer w0.127: J2.23 23.8,10.2 24.083,9.917 24.482,9.917 v2(24.9,9.5)
  Bottom Layer w0.127: U2.35 11.446,14.673 11.965,14.155 11.965,12.347 13.119,11.194 21.406,11.194 22.644,9.956 24.444,9.956 v2(24.9,9.5)
X_PXD7: J2.24 U2.33 | length 19.1
  Top Layer w0.127: J2.24 23.7,9.8 v2(24.1,9.4)
  Bottom Layer w0.127: U2.33 10.463,15.758 10.463,14.668 10.567,14.564 10.567,13.133 12.833,10.867 21.133,10.867 22.6,9.4 v2(24.1,9.4)
X_SCL: J2.7 RN1.3 U7.2 | length 20.1
  Top Layer w0.127: v2(19.142,12.692) 19.142,12.681 19.15,12.673 19.163,12.687 19.65,12.2 J2.7
  PWR w0.2: v2@19.1,12.65 19.184,12.65 19.734,12.1 20.5,12.1 22.354,13.954 32.446,13.954 v2(32.521,13.879)
  Bottom Layer w0.2: U7.2@31.45,13.85 31.471,13.871 32.521,13.871 v2(32.521,13.879) ; v2@32.525,13.875 32.7,14.05 RN1.3
X_SDA: J2.8 RN1.4 U7.3 | length 17.6
  Top Layer w0.127: v2(19.9,12.8) 20.1,12.6 J2.8
  PWR w0.2: v2(19.9,12.8) 21.5,14.4 28.95,14.4 30.85,16.3 v2(31.55,16.3)
  Bottom Layer w0.2: U7.3 32.083,14.37 32.2,14.488 RN1.4 31.6,16.25 v2(31.55,16.3)
X_TRIG: J2.4 U1.3 | length 17.2
  Top Layer w0.127: v2(19.5,10.3) 20.2,11 J2.4 J2.4@20.98,10.983 ; v2(27.45,12.9) 28.925,14.375 U1.3
  PWR w0.127: v2(19.5,10.3) 21.4,8.4 25.747,8.4 27.05,9.703 27.05,12.5 v2(27.45,12.9)
pads on no net: MK1.None MK2.None U4.5 U5.5 U6.5 Z_FDM1.1 Z_FDM2.1 Z_FDM3.1 Z_FDM4.1 Z_FDM5.1 Z_FDM6.1

## Polygon pours and split planes (outlines as drawn)
GND on Top Layer "GND_L01_P012" (solid, remove dead copper, pour order 12): 6.429,17.25 6.5,17.372 6.5,23.65 6.9,24.05 49.525,23.975 50,23.5 50,0.5 49.5,0 0,0 0,17.25
VDD5 on Top Layer "VDD5_L01_P010" (solid, remove dead copper, pour order 10): 16.45,3.15 15.1,3.15 14.25,2.3 12.8,2.3 12.8,4.55 15.2,6.95 15.3,6.95 16.45,6.95
no net on Top Layer "NONET_L01_P008" (solid, remove dead copper, pour order 8): 16.3,3.25
GND on GND "GND_L02_P000" (solid, remove dead copper, pour order 0): 0,0 50,0 50,24 0,24
GND on Bottom Layer "GND_L04_P006" (solid, remove dead copper, pour order 6): 6.429,17.25 6.5,17.372 6.5,23.65 6.9,24.05 49.525,23.975 50,23.5 50,0.5 49.5,0 0,0 0,17.25
VDD33 on PWR "VDD33_L03_P002" (solid, remove dead copper, pour order 2): 0,0 50,0 50,24 0,24

## Keep-outs
Keep-Out Layer:
  the board outline again, w0.1

## Silkscreen, mask and mechanical layers (free items; w line width, h text height)
Top Overlay:
  circle w0.127: c2.822,16 r1.05
  circle w0.127: c43,16 r1.05
  text "Himax HM01B0 Adapter Board / HM01B0-ADP-BRD" at 33.4,18.2 h1.27
  text "12" at 19.3,14 h1
  text "13" at 23.7,13.95 h1
  text "Mic 2" at 42,13.9 h1.27
  text "Mic 1" at 1.55,13.8 h1.27
  text "24" at 23.7,9.75 h1
  text "1" at 19.85,9.45 h1
Bottom Overlay:
  circle w0.127: c18.55,8 r0.2
  text "GND" at 48.9,17.35 h1 r270
  text "5V" at 48.9,14.55 h1 r270
  text "Made in USA" at 35.8,7.25 h2
  text "W" at 24.35,7.1 h7.93
  text "1" at 18.15,6.8 h1
  text "C" at 42.7,6.45 h7.77
Mechanical 9:
  lines w0.1: 0,0.5 0,23.5 50,23.5 50,0.5 0,0.5

## Text inside footprints (layer, text, board x,y; h text height)
C1: Mechanical 32 "2" at 26.1,17.601 h0.41 r270; Mechanical 32 "1" at 26.1,19.125 h0.41 r270; Mechanical 32 "C0603" at 24.449,19.724 h0.76 r270; Mechanical 32 "100nF" at 25.846,19.216 h0.51 r270; Mechanical 32 "Approved" at 26.1,21.045 h0.89 r270; Mechanical 32 "Sofer Lib Information" at 33.136,21.4 h0.64 r270; Mechanical 32 "Ref PN: ***" at 31.866,20.638 h0.64 r270; Mechanical 32 "Creat : Sofer Tech" at 30.85,20.638 h0.64 r270; Mechanical 32 "Date  : 2007-05-10" at 29.834,20.638 h0.64 r270; Mechanical 32 "Rev   : B1" at 28.818,20.638 h0.64 r270; Mechanical 32 "Remark: ***" at 27.802,20.638 h0.64 r270
C2: Mechanical 32 "2" at 26.1,16.199 h0.41 r90; Mechanical 32 "1" at 26.1,14.675 h0.41 r90; Mechanical 32 "C0603" at 27.751,14.076 h0.76 r90; Mechanical 32 "100nF" at 26.354,14.584 h0.51 r90; Mechanical 32 "Approved" at 26.1,12.755 h0.89 r90; Mechanical 32 "Sofer Lib Information" at 19.064,12.4 h0.64 r90; Mechanical 32 "Ref PN: ***" at 20.334,13.162 h0.64 r90; Mechanical 32 "Creat : Sofer Tech" at 21.35,13.162 h0.64 r90; Mechanical 32 "Date  : 2007-05-10" at 22.366,13.162 h0.64 r90; Mechanical 32 "Rev   : B1" at 23.382,13.162 h0.64 r90; Mechanical 32 "Remark: ***" at 24.398,13.162 h0.64 r90
C3: Mechanical 32 "Remark: ***" at 14.362,6.802 h0.64; Mechanical 32 "Rev   : B1" at 14.362,7.818 h0.64; Mechanical 32 "Date  : 2007-05-10" at 14.362,8.834 h0.64; Mechanical 32 "Creat : Sofer Tech" at 14.362,9.85 h0.64; Mechanical 32 "Ref PN: ***" at 14.362,10.866 h0.64; Mechanical 32 "Sofer Lib Information" at 13.6,12.136 h0.64; Mechanical 32 "Approved" at 13.955,5.1 h0.89; Mechanical 32 "100nF" at 15.784,4.846 h0.51; Mechanical 32 "C0603" at 15.276,3.449 h0.76; Mechanical 32 "1" at 15.875,5.1 h0.41; Mechanical 32 "2" at 17.399,5.1 h0.41
C4: Mechanical 32 "2" at 17.399,6.5 h0.41; Mechanical 32 "1" at 15.875,6.5 h0.41; Mechanical 32 "C0603" at 15.276,4.849 h0.76; Mechanical 32 "100nF" at 15.784,6.246 h0.51; Mechanical 32 "Approved" at 13.955,6.5 h0.89; Mechanical 32 "Sofer Lib Information" at 13.6,13.536 h0.64; Mechanical 32 "Ref PN: ***" at 14.362,12.266 h0.64; Mechanical 32 "Creat : Sofer Tech" at 14.362,11.25 h0.64; Mechanical 32 "Date  : 2007-05-10" at 14.362,10.234 h0.64; Mechanical 32 "Rev   : B1" at 14.362,9.218 h0.64; Mechanical 32 "Remark: ***" at 14.362,8.202 h0.64
C5: Mechanical 32 "Remark: ***" at 24.434,4.699 h0.64 r270; Mechanical 32 "Rev   : B1" at 25.45,4.699 h0.64 r270; Mechanical 32 "Date  : 2007-05-10" at 26.466,4.699 h0.64 r270; Mechanical 32 "Creat : Sofer Tech" at 27.482,4.699 h0.64 r270; Mechanical 32 "Ref PN: ***" at 28.498,4.699 h0.64 r270; Mechanical 32 "Sofer Lib Information" at 29.768,5.461 h0.64 r270; Mechanical 32 "Approved" at 22.732,5.105 h0.89 r270; Mechanical 32 "100nF" at 22.478,3.277 h0.51 r270; Mechanical 32 "C0603" at 21.081,3.785 h0.76 r270; Mechanical 32 "1" at 22.732,3.185 h0.41 r270; Mechanical 32 "2" at 22.732,1.661 h0.41 r270
C6: Mechanical 32 "Remark: ***" at 18.862,9.402 h0.64; Mechanical 32 "Rev   : B1" at 18.862,10.418 h0.64; Mechanical 32 "Date  : 2007-05-10" at 18.862,11.434 h0.64; Mechanical 32 "Creat : Sofer Tech" at 18.862,12.45 h0.64; Mechanical 32 "Ref PN: ***" at 18.862,13.466 h0.64; Mechanical 32 "Sofer Lib Information" at 18.1,14.736 h0.64; Mechanical 32 "Approved" at 18.455,7.7 h0.89; Mechanical 32 "100nF" at 20.284,7.446 h0.51; Mechanical 32 "C0603" at 19.776,6.049 h0.76; Mechanical 32 "1" at 20.375,7.7 h0.41; Mechanical 32 "2" at 21.899,7.7 h0.41
C7: Mechanical 32 "2" at 16.199,6.75 h0.41 r180; Mechanical 32 "1" at 14.675,6.75 h0.41 r180; Mechanical 32 "C0603" at 14.076,8.401 h0.76 r180; Mechanical 32 "100nF" at 14.584,7.004 h0.51 r180; Mechanical 32 "Approved" at 12.755,6.75 h0.89 r180; Mechanical 32 "Sofer Lib Information" at 12.4,-0.286 h0.64 r180; Mechanical 32 "Ref PN: ***" at 13.162,0.984 h0.64 r180; Mechanical 32 "Creat : Sofer Tech" at 13.162,2 h0.64 r180; Mechanical 32 "Date  : 2007-05-10" at 13.162,3.016 h0.64 r180; Mechanical 32 "Rev   : B1" at 13.162,4.032 h0.64 r180; Mechanical 32 "Remark: ***" at 13.162,5.048 h0.64 r180
C8: Mechanical 32 "2" at 16.199,17.4 h0.41 r180; Mechanical 32 "1" at 14.675,17.4 h0.41 r180; Mechanical 32 "C0603" at 14.076,19.051 h0.76 r180; Mechanical 32 "100nF" at 14.584,17.654 h0.51 r180; Mechanical 32 "Approved" at 12.755,17.4 h0.89 r180; Mechanical 32 "Sofer Lib Information" at 12.4,10.364 h0.64 r180; Mechanical 32 "Ref PN: ***" at 13.162,11.634 h0.64 r180; Mechanical 32 "Creat : Sofer Tech" at 13.162,12.65 h0.64 r180; Mechanical 32 "Date  : 2007-05-10" at 13.162,13.666 h0.64 r180; Mechanical 32 "Rev   : B1" at 13.162,14.682 h0.64 r180; Mechanical 32 "Remark: ***" at 13.162,15.698 h0.64 r180
C9: Mechanical 32 "Remark: ***" at 5.385,5.209 h0.64 r90; Mechanical 32 "Rev   : B1" at 4.369,5.209 h0.64 r90; Mechanical 32 "Date  : 2007-05-10" at 3.353,5.209 h0.64 r90; Mechanical 32 "Creat : Sofer Tech" at 2.337,5.209 h0.64 r90; Mechanical 32 "Ref PN: ***" at 1.321,5.209 h0.64 r90; Mechanical 32 "Sofer Lib Information" at 0.051,5.971 h0.64 r90; Mechanical 32 "Approved" at 7.087,5.616 h0.89 r90; Mechanical 32 "100nF" at 7.341,3.787 h0.51 r90; Mechanical 32 "C0603" at 8.738,4.295 h0.76 r90; Mechanical 32 "1" at 7.087,3.696 h0.41 r90; Mechanical 32 "2" at 7.087,2.172 h0.41 r90
C10: Mechanical 32 "2" at 10.799,6.6 h0.41 r180; Mechanical 32 "1" at 9.275,6.6 h0.41 r180; Mechanical 32 "C0603" at 8.676,8.251 h0.76 r180; Mechanical 32 "100nF" at 9.184,6.854 h0.51 r180; Mechanical 32 "Approved" at 7.355,6.6 h0.89 r180; Mechanical 32 "Sofer Lib Information" at 7,-0.436 h0.64 r180; Mechanical 32 "Ref PN: ***" at 7.762,0.834 h0.64 r180; Mechanical 32 "Creat : Sofer Tech" at 7.762,1.85 h0.64 r180; Mechanical 32 "Date  : 2007-05-10" at 7.762,2.866 h0.64 r180; Mechanical 32 "Rev   : B1" at 7.762,3.882 h0.64 r180; Mechanical 32 "Remark: ***" at 7.762,4.898 h0.64 r180
C11: Mechanical 32 "2" at 22.599,16.4 h0.41; Mechanical 32 "1" at 21.075,16.4 h0.41; Mechanical 32 "C0603" at 20.476,14.749 h0.76; Mechanical 32 "100nF" at 20.984,16.146 h0.51; Mechanical 32 "Approved" at 19.155,16.4 h0.89; Mechanical 32 "Sofer Lib Information" at 18.8,23.436 h0.64; Mechanical 32 "Ref PN: ***" at 19.562,22.166 h0.64; Mechanical 32 "Creat : Sofer Tech" at 19.562,21.15 h0.64; Mechanical 32 "Date  : 2007-05-10" at 19.562,20.134 h0.64; Mechanical 32 "Rev   : B1" at 19.562,19.118 h0.64; Mechanical 32 "Remark: ***" at 19.562,18.102 h0.64
C12: Mechanical 32 "2" at 17.851,16.5 h0.41 r180; Mechanical 32 "1" at 19.375,16.5 h0.41 r180; Mechanical 32 "C0603" at 19.974,18.151 h0.76 r180; Mechanical 32 "100nF" at 19.466,16.754 h0.51 r180; Mechanical 32 "Approved" at 21.295,16.5 h0.89 r180; Mechanical 32 "Sofer Lib Information" at 21.65,9.464 h0.64 r180; Mechanical 32 "Ref PN: ***" at 20.888,10.734 h0.64 r180; Mechanical 32 "Creat : Sofer Tech" at 20.888,11.75 h0.64 r180; Mechanical 32 "Date  : 2007-05-10" at 20.888,12.766 h0.64 r180; Mechanical 32 "Rev   : B1" at 20.888,13.782 h0.64 r180; Mechanical 32 "Remark: ***" at 20.888,14.798 h0.64 r180
C13: Mechanical 32 "2" at 4.001,8.4 h0.41; Mechanical 32 "1" at 5.525,8.4 h0.41; Mechanical 32 "C0603" at 6.124,6.749 h0.76; Mechanical 32 "100nF" at 5.616,8.146 h0.51; Mechanical 32 "Approved" at 7.445,8.4 h0.89; Mechanical 32 "Sofer Lib Information" at 7.8,15.436 h0.64; Mechanical 32 "Ref PN: ***" at 7.038,14.166 h0.64; Mechanical 32 "Creat : Sofer Tech" at 7.038,13.15 h0.64; Mechanical 32 "Date  : 2007-05-10" at 7.038,12.134 h0.64; Mechanical 32 "Rev   : B1" at 7.038,11.118 h0.64; Mechanical 32 "Remark: ***" at 7.038,10.102 h0.64
C14: Mechanical 32 "Remark: ***" at 42.302,12.962 h0.64 r270; Mechanical 32 "Rev   : B1" at 43.318,12.962 h0.64 r270; Mechanical 32 "Date  : 2007-05-10" at 41.7,13.8 h0.64 r270; Mechanical 32 "Creat : Sofer Tech" at 45.35,12.962 h0.64 r270; Mechanical 32 "Ref PN: ***" at 46.366,12.962 h0.64 r270; Mechanical 32 "Sofer Lib Information" at 47.636,12.2 h0.64 r270; Mechanical 32 "Approved" at 40.6,12.555 h0.89 r270; Mechanical 32 "100nF" at 40.346,14.384 h0.51 r270; Mechanical 32 "C0603" at 38.949,13.876 h0.76 r270; Mechanical 32 "1" at 40.6,14.475 h0.41 r270; Mechanical 32 "2" at 40.6,15.999 h0.41 r270
C15: Mechanical 32 "Remark: ***" at 43.498,15.838 h0.64 r90; Mechanical 32 "Rev   : B1" at 42.482,15.838 h0.64 r90; Mechanical 32 "Date  : 2007-05-10" at 41.466,15.838 h0.64 r90; Mechanical 32 "Creat : Sofer Tech" at 40.45,15.838 h0.64 r90; Mechanical 32 "Ref PN: ***" at 39.434,15.838 h0.64 r90; Mechanical 32 "Sofer Lib Information" at 38.164,16.6 h0.64 r90; Mechanical 32 "Approved" at 45.2,16.245 h0.89 r90; Mechanical 32 "100nF" at 45.454,14.416 h0.51 r90; Mechanical 32 "C0603" at 46.851,14.924 h0.76 r90; Mechanical 32 "1" at 45.2,14.325 h0.41 r90; Mechanical 32 "2" at 45.2,12.801 h0.41 r90
C16: Mechanical 32 "2" at 5.001,11.626 h0.41 r90; Mechanical 32 "1" at 5.001,13.15 h0.41 r90; Mechanical 32 "C0603" at 6.652,13.749 h0.76 r90; Mechanical 32 "100nF" at 5.255,13.241 h0.51 r90; Mechanical 32 "Approved" at 5.001,15.07 h0.89 r90; Mechanical 32 "Sofer Lib Information" at -2.035,15.426 h0.64 r90; Mechanical 32 "Ref PN: ***" at -0.765,14.664 h0.64 r90; Mechanical 32 "Creat : Sofer Tech" at 0.251,14.664 h0.64 r90; Mechanical 32 "Date  : 2007-05-10" at 1.267,14.664 h0.64 r90; Mechanical 32 "Rev   : B1" at 2.283,14.664 h0.64 r90; Mechanical 32 "Remark: ***" at 3.299,14.664 h0.64 r90
C17: Mechanical 32 "2" at 5.001,15.52 h0.41 r270; Mechanical 32 "1" at 5.001,13.996 h0.41 r270; Mechanical 32 "C0603" at 3.35,13.397 h0.76 r270; Mechanical 32 "100nF" at 4.747,13.905 h0.51 r270; Mechanical 32 "Approved" at 5.001,12.076 h0.89 r270; Mechanical 32 "Sofer Lib Information" at 12.037,11.721 h0.64 r270; Mechanical 32 "Ref PN: ***" at 10.767,12.483 h0.64 r270; Mechanical 32 "Creat : Sofer Tech" at 9.751,12.483 h0.64 r270; Mechanical 32 "Date  : 2007-05-10" at 8.735,12.483 h0.64 r270; Mechanical 32 "Rev   : B1" at 7.719,12.483 h0.64 r270; Mechanical 32 "Remark: ***" at 6.703,12.483 h0.64 r270
C18: Mechanical 32 "Remark: ***" at 27.198,5.362 h0.64 r90; Mechanical 32 "Rev   : B1" at 26.182,5.362 h0.64 r90; Mechanical 32 "Date  : 2007-05-10" at 25.166,5.362 h0.64 r90; Mechanical 32 "Creat : Sofer Tech" at 24.15,5.362 h0.64 r90; Mechanical 32 "Ref PN: ***" at 23.134,5.362 h0.64 r90; Mechanical 32 "Sofer Lib Information" at 21.864,4.6 h0.64 r90; Mechanical 32 "Approved" at 28.9,4.955 h0.89 r90; Mechanical 32 "100nF" at 29.154,6.784 h0.51 r90; Mechanical 32 "C0603" at 30.551,6.276 h0.76 r90; Mechanical 32 "1" at 28.9,6.875 h0.41 r90; Mechanical 32 "2" at 28.9,8.399 h0.41 r90
C19: Mechanical 32 "Remark: ***" at 23.231,5.318 h0.64 r90; Mechanical 32 "Rev   : B1" at 22.215,5.318 h0.64 r90; Mechanical 32 "Date  : 2007-05-10" at 21.199,5.318 h0.64 r90; Mechanical 32 "Creat : Sofer Tech" at 20.183,5.318 h0.64 r90; Mechanical 32 "Ref PN: ***" at 19.167,5.318 h0.64 r90; Mechanical 32 "Sofer Lib Information" at 17.897,4.556 h0.64 r90; Mechanical 32 "Approved" at 24.933,4.911 h0.89 r90; Mechanical 32 "100nF" at 25.187,6.74 h0.51 r90; Mechanical 32 "C0603" at 26.584,6.232 h0.76 r90; Mechanical 32 "1" at 24.933,6.831 h0.41 r90; Mechanical 32 "2" at 24.933,8.355 h0.41 r90
C20: Mechanical 32 "Remark: ***" at 3.012,3.949 h0.64; Mechanical 32 "Rev   : B1" at 3.012,4.965 h0.64; Mechanical 32 "Date  : 2007-05-10" at 3.012,5.981 h0.64; Mechanical 32 "Creat : Sofer Tech" at 3.012,6.997 h0.64; Mechanical 32 "Ref PN: ***" at 3.012,8.013 h0.64; Mechanical 32 "Sofer Lib Information" at 2.25,9.283 h0.64; Mechanical 32 "Approved" at 2.605,2.247 h0.89; Mechanical 32 "100nF" at 4.434,1.993 h0.51; Mechanical 32 "C0603" at 3.926,0.596 h0.76; Mechanical 32 "1" at 4.525,2.247 h0.41; Mechanical 32 "2" at 6.049,2.247 h0.41
C21: Mechanical 32 "Remark: ***" at 5.263,1.969 h0.64 r90; Mechanical 32 "Rev   : B1" at 4.247,1.969 h0.64 r90; Mechanical 32 "Date  : 2007-05-10" at 3.231,1.969 h0.64 r90; Mechanical 32 "Creat : Sofer Tech" at 2.215,1.969 h0.64 r90; Mechanical 32 "Ref PN: ***" at 1.199,1.969 h0.64 r90; Mechanical 32 "Sofer Lib Information" at -0.071,1.207 h0.64 r90; Mechanical 32 "Approved" at 6.965,1.563 h0.89 r90; Mechanical 32 "100nF" at 7.219,3.392 h0.51 r90; Mechanical 32 "C0603" at 8.616,2.884 h0.76 r90; Mechanical 32 "1" at 6.965,3.483 h0.41 r90; Mechanical 32 "2" at 6.965,5.007 h0.41 r90
C22: Mechanical 32 "2" at 32.499,12.35 h0.41 r180; Mechanical 32 "1" at 30.975,12.35 h0.41 r180; Mechanical 32 "C0603" at 30.376,14.001 h0.76 r180; Mechanical 32 "100nF" at 30.884,12.604 h0.51 r180; Mechanical 32 "Approved" at 29.055,12.35 h0.89 r180; Mechanical 32 "Sofer Lib Information" at 28.7,5.314 h0.64 r180; Mechanical 32 "Ref PN: ***" at 29.462,6.584 h0.64 r180; Mechanical 32 "Creat : Sofer Tech" at 29.462,7.6 h0.64 r180; Mechanical 32 "Date  : 2007-05-10" at 29.462,8.616 h0.64 r180; Mechanical 32 "Rev   : B1" at 29.462,9.632 h0.64 r180; Mechanical 32 "Remark: ***" at 29.462,10.648 h0.64 r180
C23: Mechanical 32 "2" at 33.801,12.35 h0.41; Mechanical 32 "1" at 35.325,12.35 h0.41; Mechanical 32 "C0603" at 35.924,10.699 h0.76; Mechanical 32 "100nF" at 35.416,12.096 h0.51; Mechanical 32 "Approved" at 37.245,12.35 h0.89; Mechanical 32 "Sofer Lib Information" at 37.6,19.386 h0.64; Mechanical 32 "Ref PN: ***" at 36.838,18.116 h0.64; Mechanical 32 "Creat : Sofer Tech" at 36.838,17.1 h0.64; Mechanical 32 "Date  : 2007-05-10" at 36.838,16.084 h0.64; Mechanical 32 "Rev   : B1" at 36.838,15.068 h0.64; Mechanical 32 "Remark: ***" at 36.838,14.052 h0.64
C24: Mechanical 32 "Remark: ***" at 21.48,18.098 h0.64 r90; Mechanical 32 "Rev   : B1" at 20.464,18.098 h0.64 r90; Mechanical 32 "Date  : 2007-05-10" at 19.448,18.098 h0.64 r90; Mechanical 32 "Creat : Sofer Tech" at 18.432,18.098 h0.64 r90; Mechanical 32 "Ref PN: ***" at 17.416,18.098 h0.64 r90; Mechanical 32 "Sofer Lib Information" at 16.146,17.336 h0.64 r90; Mechanical 32 "Approved" at 23.182,17.691 h0.89 r90; Mechanical 32 "100nF" at 23.436,19.52 h0.51 r90; Mechanical 32 "C0603" at 24.833,19.012 h0.76 r90; Mechanical 32 "1" at 23.182,19.612 h0.41 r90; Mechanical 32 "2" at 23.182,21.136 h0.41 r90
C25: Mechanical 32 "Remark: ***" at 17.498,17.812 h0.64 r90; Mechanical 32 "Rev   : B1" at 16.482,17.812 h0.64 r90; Mechanical 32 "Date  : 2007-05-10" at 15.466,17.812 h0.64 r90; Mechanical 32 "Creat : Sofer Tech" at 14.45,17.812 h0.64 r90; Mechanical 32 "Ref PN: ***" at 13.434,17.812 h0.64 r90; Mechanical 32 "Sofer Lib Information" at 12.164,17.05 h0.64 r90; Mechanical 32 "Approved" at 19.2,17.405 h0.89 r90; Mechanical 32 "100nF" at 19.454,19.234 h0.51 r90; Mechanical 32 "C0603" at 20.851,18.726 h0.76 r90; Mechanical 32 "1" at 19.2,19.325 h0.41 r90; Mechanical 32 "2" at 19.2,20.849 h0.41 r90
R1: Mechanical 32 "2" at 16.181,3.582 h0.41 r180; Mechanical 32 "1" at 17.705,3.582 h0.41 r180; Mechanical 32 "C0603" at 18.304,5.233 h0.76 r180; Mechanical 32 "100nF" at 17.796,3.836 h0.51 r180; Mechanical 32 "Approved" at 19.625,3.582 h0.89 r180; Mechanical 32 "Sofer Lib Information" at 19.981,-3.454 h0.64 r180; Mechanical 32 "Ref PN: ***" at 19.219,-2.184 h0.64 r180; Mechanical 32 "Creat : Sofer Tech" at 19.219,-1.168 h0.64 r180; Mechanical 32 "Date  : 2007-05-10" at 19.219,-0.152 h0.64 r180; Mechanical 32 "Rev   : B1" at 19.219,0.864 h0.64 r180; Mechanical 32 "Remark: ***" at 19.219,1.88 h0.64 r180
R2: Mechanical 32 "Remark: ***" at 19.219,0.559 h0.64 r180; Mechanical 32 "Rev   : B1" at 19.219,-0.457 h0.64 r180; Mechanical 32 "Date  : 2007-05-10" at 19.219,-1.473 h0.64 r180; Mechanical 32 "Creat : Sofer Tech" at 19.219,-2.489 h0.64 r180; Mechanical 32 "Ref PN: ***" at 19.219,-3.505 h0.64 r180; Mechanical 32 "Sofer Lib Information" at 19.981,-4.775 h0.64 r180; Mechanical 32 "Approved" at 19.625,2.261 h0.89 r180; Mechanical 32 "100nF" at 17.796,2.515 h0.51 r180; Mechanical 32 "C0603" at 18.304,3.912 h0.76 r180; Mechanical 32 "1" at 17.705,2.261 h0.41 r180; Mechanical 32 "2" at 16.181,2.261 h0.41 r180
R3: Mechanical 32 "Remark: ***" at 28.238,-0.002 h0.64 r180; Mechanical 32 "Rev   : B1" at 28.238,-1.018 h0.64 r180; Mechanical 32 "Date  : 2007-05-10" at 28.238,-2.034 h0.64 r180; Mechanical 32 "Creat : Sofer Tech" at 28.238,-3.05 h0.64 r180; Mechanical 32 "Ref PN: ***" at 28.238,-4.066 h0.64 r180; Mechanical 32 "Sofer Lib Information" at 29,-5.336 h0.64 r180; Mechanical 32 "Approved" at 28.645,1.7 h0.89 r180; Mechanical 32 "100nF" at 26.816,1.954 h0.51 r180; Mechanical 32 "C0603" at 27.324,3.351 h0.76 r180; Mechanical 32 "1" at 26.725,1.7 h0.41 r180; Mechanical 32 "2" at 25.201,1.7 h0.41 r180
R4: Mechanical 32 "1" at 5.686,21.849 h0.41; Mechanical 32 "2" at 4.314,21.849 h0.41
R5: Mechanical 32 "1" at 5.686,20.399 h0.41; Mechanical 32 "2" at 4.314,20.399 h0.41
R6: Mechanical 32 "1" at 5.686,18.949 h0.41; Mechanical 32 "2" at 4.314,18.949 h0.41
R7: Mechanical 32 "1" at 5.686,17.499 h0.41; Mechanical 32 "2" at 4.314,17.499 h0.41
R8: Mechanical 32 "2" at 45.2,17.049 h0.41 r270; Mechanical 32 "1" at 45.2,15.525 h0.41 r270; Mechanical 32 "C0603" at 43.549,14.926 h0.76 r270; Mechanical 32 "100nF" at 44.946,15.434 h0.51 r270; Mechanical 32 "Approved" at 45.2,13.605 h0.89 r270; Mechanical 32 "Sofer Lib Information" at 52.236,13.25 h0.64 r270; Mechanical 32 "Ref PN: ***" at 50.966,14.012 h0.64 r270; Mechanical 32 "Creat : Sofer Tech" at 49.95,14.012 h0.64 r270; Mechanical 32 "Date  : 2007-05-10" at 48.934,14.012 h0.64 r270; Mechanical 32 "Rev   : B1" at 47.918,14.012 h0.64 r270; Mechanical 32 "Remark: ***" at 46.902,14.012 h0.64 r270
R9: Mechanical 32 "Remark: ***" at 28.548,5.366 h0.64 r90; Mechanical 32 "Rev   : B1" at 27.532,5.366 h0.64 r90; Mechanical 32 "Date  : 2007-05-10" at 26.516,5.366 h0.64 r90; Mechanical 32 "Creat : Sofer Tech" at 25.5,5.366 h0.64 r90; Mechanical 32 "Ref PN: ***" at 24.484,5.366 h0.64 r90; Mechanical 32 "Sofer Lib Information" at 23.214,4.604 h0.64 r90; Mechanical 32 "Approved" at 30.25,4.959 h0.89 r90; Mechanical 32 "100nF" at 30.504,6.788 h0.51 r90; Mechanical 32 "C0603" at 31.901,6.28 h0.76 r90; Mechanical 32 "1" at 30.25,6.879 h0.41 r90; Mechanical 32 "2" at 30.25,8.403 h0.41 r90